# Altium PCB MOTOR SECOND.PcbDoc (part 2 of 4)
Units mil, origin at the board's own origin, x right, y up, seen from the top; angles counter-clockwise.
Board outline 3164.64 x 1945.03 mil, 2 copper layers (Top Layer, Bottom Layer); 69 components, 47 nets, 203 pads, 228 vias.
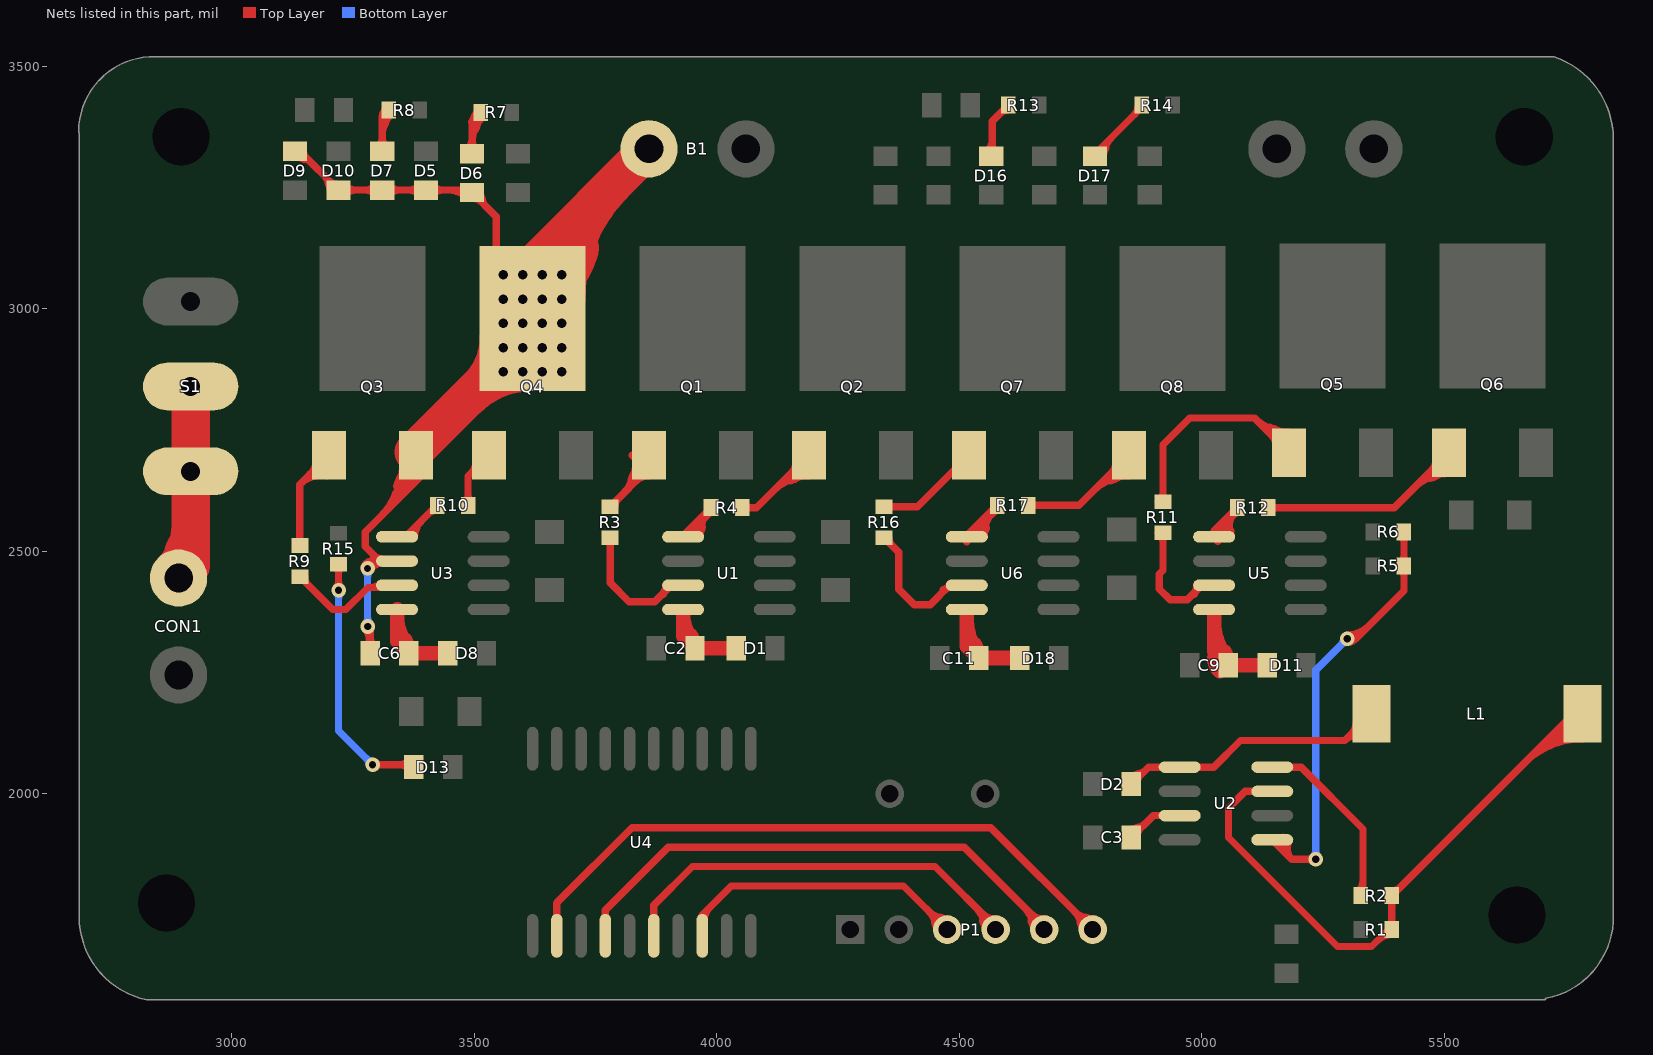
[diagram p2: the nets of this part, all layers, seen from the top]

## Via types
v1: diameter 31.5, hole 19.68, Top Layer to Bottom Layer, 160 vias
v2: diameter 30, hole 15, Top Layer to Bottom Layer, 68 vias

## Nets (pads, with @x,y where several pads share a name; then routed paths per layer and width w, separated by ;. In a path a pad name is that pad's centre, name@x,y a point inside that pad or via, vN(x,y) a via of type N, cw(c..) or ccw(c..) an arc to the next point about the centre after c; other vN are vias at no path point) (continued)
NetB1_2: B1.2 C6.2 D5.1 D6.1 D7.2 D9.1 D10.2 Q3.3 Q4.2 U3.6 | length 8889.2
  Top Layer w15: D9.1@3130,3325 3140,3325 D10.2@3220,3245 D7.2@3310,3245 D5.1@3400,3245 3490,3245 D6.1@3495,3240 3545,3190 Q4.2@3545,3070 ; v2(3280,2345) 3285,2340 C6.2@3285,2290 ; v2@3282.09,2471.82 ccw(c3288.64,2491.33) 3297.81,2472.9 ; v2@3282.63,2471.61 ccw(c3286.75,2481.32) 3295.55,2475.49 ; v2@3291.56,2469.79 cw(c3307.28,2452) U3.6@3308.75,2475.7 ; 3294.67,2471.34 ccw(c3301.63,2457.35) v2@3286.82,2462.32 ; 3296.26,2474.29 cw(c3303.16,2466.47) U3.6@3307.31,2476.04 ; 3297.75,2486.51 ccw(c3304.43,2492.39) U3.6@3307.52,2484.04 ; 3342.24,2627.99 ccw(c3308.87,2660.87) Q3.3@3353.54,2674.98 ; 3359.72,2645.73 ccw(c3335.74,2669.36) Q3.3@3367.84,2679.5 ; 3362.23,2648.27 cw(c3380.15,2630.6) Q3.3@3379.97,2655.77 ; Q3.3@3379.76,2698.27 3379.76,2644.76 ; Q4.2@3545,2863.5 Q4.2@3545,2870 ; Q4.2@3553.98,3090.47 ccw(c3565.87,3089.32) Q4.2@3562.4,3077.89 ; D9.1@3132.63,3324.19 ccw(c3155.42,3331.95) D9.1@3149.19,3308.7 ; D9.1@3132.63,3324.19 ccw(c3155.42,3331.95) D9.1@3149.19,3308.7 ; D9.1@3132.63,3324.19 ccw(c3155.42,3331.95) D9.1@3149.19,3308.7 ; D9.1@3135,3312.5 cw(c3135,3270.25) 3164.87,3300.13 ; D9.1@3135,3312.5 cw(c3135,3270.25) 3164.87,3300.13 ; D9.1@3135,3312.5 cw(c3135,3270.25) 3164.87,3300.13 ; D9.1@3147.5,3325 ccw(c3165.61,3325) D9.1@3152.8,3312.2 ; D9.1@3147.5,3325 ccw(c3165.61,3325) D9.1@3152.8,3312.2 ; D9.1@3147.5,3325 ccw(c3165.61,3325) D9.1@3152.8,3312.2 ; 3190.13,3274.87 cw(c3160.25,3245) D10.2@3202.5,3245 ; 3190.13,3274.87 cw(c3160.25,3245) D10.2@3202.5,3245 ; 3190.13,3274.87 cw(c3160.25,3245) D10.2@3202.5,3245 ; D10.2@3198.7,3259.19 ccw(c3221.95,3265.42) D10.2@3214.19,3242.63 ; D10.2@3198.7,3259.19 ccw(c3221.95,3265.42) D10.2@3214.19,3242.63 ; D10.2@3198.7,3259.19 ccw(c3221.95,3265.42) D10.2@3214.19,3242.63 ; D10.2@3202.2,3262.8 ccw(c3215,3275.61) D10.2@3215,3257.5 ; D10.2@3202.2,3262.8 ccw(c3215,3275.61) D10.2@3215,3257.5 ; D10.2@3202.2,3262.8 ccw(c3215,3275.61) D10.2@3215,3257.5 ; D10.2@3233.84,3236.16 cw(c3255.18,3214.82) 3255.18,3245 ; D10.2@3233.84,3236.16 cw(c3255.18,3214.82) 3255.18,3245 ; D10.2@3233.84,3236.16 cw(c3255.18,3214.82) 3255.18,3245 ; D10.2@3233.84,3253.84 ccw(c3255.18,3275.18) 3255.18,3245 ; D10.2@3233.84,3253.84 ccw(c3255.18,3275.18) 3255.18,3245 ; D10.2@3233.84,3253.84 ccw(c3255.18,3275.18) 3255.18,3245 ; v2@3272.25,2465.48 cw(c3288.35,2463.8) 3288.35,2480 ; v2@3272.25,2465.48 cw(c3288.35,2463.8) 3288.35,2480 ; v2@3272.25,2465.48 cw(c3288.35,2463.8) 3288.35,2480 ; v2@3274.7,2339.7 cw(c3249.82,2314.82) C6.2@3285,2314.82 ; v2@3274.7,2339.7 cw(c3249.82,2314.82) C6.2@3285,2314.82 ; v2@3274.7,2339.7 cw(c3249.82,2314.82) C6.2@3285,2314.82 ; 3274.82,3245 ccw(c3274.82,3275.18) D7.2@3296.16,3253.84 ; 3274.82,3245 cw(c3274.82,3214.82) D7.2@3296.16,3236.16 ; 3274.82,3245 ccw(c3274.82,3275.18) D7.2@3296.16,3253.84 ; 3274.82,3245 cw(c3274.82,3214.82) D7.2@3296.16,3236.16 ; 3274.82,3245 ccw(c3274.82,3275.18) D7.2@3296.16,3253.84 ; 3274.82,3245 cw(c3274.82,3214.82) D7.2@3296.16,3236.16 ; C6.2@3276.16,2303.84 ccw(c3254.82,2325.18) 3285,2325.18 ; C6.2@3276.16,2303.84 ccw(c3254.82,2325.18) 3285,2325.18 ; C6.2@3276.16,2303.84 ccw(c3254.82,2325.18) 3285,2325.18 ; C6.2@3276.72,2304.37 ccw(c3263.94,2318.83) 3282.59,2323.83 ; C6.2@3276.72,2304.37 ccw(c3263.94,2318.83) 3282.59,2323.83 ; C6.2@3276.72,2304.37 ccw(c3263.94,2318.83) 3282.59,2323.83 ; v2(3279.7,2464.7) cw(c3306.42,2438) U3.6@3308.75,2475.7 ; v2(3279.7,2464.7) cw(c3306.42,2438) U3.6@3308.75,2475.7 ; v2(3279.7,2464.7) cw(c3306.42,2438) U3.6@3308.75,2475.7 ; v2(3279.7,2464.7) 3295,2480 U3.6@3305,2480 ; v2@3279.7,2472.2 ccw(c3279.7,2490.31) 3292.51,2477.51 ; v2@3279.7,2472.2 ccw(c3279.7,2490.31) 3292.51,2477.51 ; v2@3279.7,2472.2 ccw(c3279.7,2490.31) 3292.51,2477.51 ; v2@3281.65,2471.95 ccw(c3286.33,2489.44) 3295.38,2473.76 ; v2@3281.65,2471.95 ccw(c3286.33,2489.44) 3295.38,2473.76 ; v2@3281.65,2471.95 ccw(c3286.33,2489.44) 3295.38,2473.76 ; v2@3281.65,2471.95 ccw(c3286.33,2489.44) 3295.38,2473.76 ; v2@3281.65,2471.95 ccw(c3286.33,2489.44) 3295.38,2473.76 ; v2@3281.65,2471.95 ccw(c3286.33,2489.44) 3295.38,2473.76 ; 3281.71,2327.55 cw(c3289.09,2331.81) v2@3284.25,2338.82 ; 3281.71,2327.55 cw(c3289.09,2331.81) v2@3284.25,2338.82 ; 3281.71,2327.55 cw(c3289.09,2331.81) v2@3284.25,2338.82 ; 3285,2325.18 ccw(c3315.18,2325.18) C6.2@3293.84,2303.84 ; 3285,2325.18 ccw(c3315.18,2325.18) C6.2@3293.84,2303.84 ; 3285,2325.18 ccw(c3315.18,2325.18) C6.2@3293.84,2303.84 ; v2@3286.82,2462.32 cw(c3310.16,2454.49) U3.6@3299.19,2476.53 ; v2@3286.82,2462.32 cw(c3310.16,2454.49) U3.6@3299.19,2476.53 ; v2@3286.82,2462.32 cw(c3310.16,2454.49) U3.6@3299.19,2476.53 ; v2@3286.82,2462.32 cw(c3310.16,2454.49) U3.6@3299.19,2476.53 ; v2@3286.95,2462.76 cw(c3304.44,2458.08) 3295.39,2473.76 ; v2@3286.95,2462.76 cw(c3304.44,2458.08) 3295.39,2473.76 ; v2@3286.95,2462.76 cw(c3304.44,2458.08) 3295.39,2473.76 ; v2@3286.95,2462.76 cw(c3304.44,2458.08) 3295.39,2473.76 ; v2@3286.95,2462.76 cw(c3304.44,2458.08) 3295.39,2473.76 ; v2@3286.95,2462.76 cw(c3304.44,2458.08) 3295.39,2473.76 ; v2@3287.16,2463.93 cw(c3305,2462.07) U3.6@3305,2480 ; v2@3287.16,2463.93 cw(c3305,2462.07) U3.6@3305,2480 ; v2@3287.16,2463.93 cw(c3305,2462.07) U3.6@3305,2480 ; v2@3287.2,2464.7 cw(c3305.31,2464.7) 3292.51,2477.51 ; v2@3287.2,2464.7 cw(c3305.31,2464.7) 3292.51,2477.51 ; v2@3287.2,2464.7 cw(c3305.31,2464.7) 3292.51,2477.51 ; v2@3289.79,2471.85 ccw(c3284.9,2495.99) U3.6@3305.42,2482.38 ; v2@3289.79,2471.85 ccw(c3284.9,2495.99) U3.6@3305.42,2482.38 ; v2@3289.79,2471.85 ccw(c3284.9,2495.99) U3.6@3305.42,2482.38 ; 3292,2488.87 cw(c3286.66,2468.94) U3.6@3305.15,2478.09 ; 3292,2488.87 cw(c3286.66,2468.94) U3.6@3305.15,2478.09 ; 3292,2488.87 cw(c3286.66,2468.94) U3.6@3305.15,2478.09 ; 3294.8,2490.2 ccw(c3309.02,2504.41) U3.6@3309.02,2484.31 ; 3294.8,2490.2 ccw(c3309.02,2504.41) U3.6@3309.02,2484.31 ; 3294.8,2490.2 ccw(c3309.02,2504.41) U3.6@3309.02,2484.31 ; U3.6@3305,2480 3275,2510 3275,2540 3379.76,2644.76 ; 3305.59,2570.59 ccw(c3192.92,2683.27) Q3.3@3352.26,2683.27 ; 3305.59,2570.59 ccw(c3192.92,2683.27) Q3.3@3352.26,2683.27 ; 3305.59,2570.59 ccw(c3192.92,2683.27) Q3.3@3352.26,2683.27 ; D7.2@3323.84,3236.16 cw(c3345.18,3214.82) 3345.18,3245 ; D7.2@3323.84,3236.16 cw(c3345.18,3214.82) 3345.18,3245 ; D7.2@3323.84,3236.16 cw(c3345.18,3214.82) 3345.18,3245 ; D7.2@3323.84,3253.84 ccw(c3345.18,3275.18) 3345.18,3245 ; D7.2@3323.84,3253.84 ccw(c3345.18,3275.18) 3345.18,3245 ; D7.2@3323.84,3253.84 ccw(c3345.18,3275.18) 3345.18,3245 ; 3330.24,2598.58 cw(c3447.39,2568.11) Q3.3@3386.09,2672.49 ; 3330.24,2598.58 cw(c3447.39,2568.11) Q3.3@3386.09,2672.49 ; 3330.24,2598.58 cw(c3447.39,2568.11) Q3.3@3386.09,2672.49 ; 3331.2,2596.2 ccw(c3244.13,2683.27) Q3.3@3367.26,2683.27 ; 3331.2,2596.2 ccw(c3244.13,2683.27) Q3.3@3367.26,2683.27 ; 3331.2,2596.2 ccw(c3244.13,2683.27) Q3.3@3367.26,2683.27 ; 3339.35,2633.62 cw(c3421.45,2612.27) Q3.3@3378.5,2685.42 ; 3339.35,2633.62 cw(c3421.45,2612.27) Q3.3@3378.5,2685.42 ; 3339.35,2633.62 cw(c3421.45,2612.27) Q3.3@3378.5,2685.42 ; 3353.98,2633.68 cw(c3412.3,2618.05) Q3.3@3385.34,2672.08 ; 3353.98,2633.68 cw(c3412.3,2618.05) Q3.3@3385.34,2672.08 ; 3353.98,2633.68 cw(c3412.3,2618.05) Q3.3@3385.34,2672.08 ; Q3.3@3355.95,2669.52 cw(c3334.15,2656.93) Q3.3@3358.46,2650.42 ; Q3.3@3355.95,2669.52 cw(c3334.15,2656.93) Q3.3@3358.46,2650.42 ; Q3.3@3355.95,2669.52 cw(c3334.15,2656.93) Q3.3@3358.46,2650.42 ; 3356.81,2621.81 ccw(c3295.34,2683.27) Q3.3@3382.26,2683.27 ; 3356.81,2621.81 ccw(c3295.34,2683.27) Q3.3@3382.26,2683.27 ; 3356.81,2621.81 ccw(c3295.34,2683.27) Q3.3@3382.26,2683.27 ; 3364.82,3245 ccw(c3364.82,3275.18) D5.1@3386.16,3253.84 ; 3364.82,3245 cw(c3364.82,3214.82) D5.1@3386.16,3236.16 ; 3364.82,3245 ccw(c3364.82,3275.18) D5.1@3386.16,3253.84 ; 3364.82,3245 cw(c3364.82,3214.82) D5.1@3386.16,3236.16 ; 3364.82,3245 ccw(c3364.82,3275.18) D5.1@3386.16,3253.84 ; 3364.82,3245 cw(c3364.82,3214.82) D5.1@3386.16,3236.16 ; Q3.3@3365.34,2659.86 cw(c3357.77,2647.58) 3371.7,2643.85 ; Q3.3@3365.34,2659.86 cw(c3357.77,2647.58) 3371.7,2643.85 ; Q3.3@3365.34,2659.86 cw(c3357.77,2647.58) 3371.7,2643.85 ; Q3.3@3370.84,2657.26 cw(c3366.56,2644.77) 3379.76,2644.77 ; Q3.3@3370.84,2657.26 cw(c3366.56,2644.77) 3379.76,2644.77 ; Q3.3@3370.84,2657.26 cw(c3366.56,2644.77) 3379.76,2644.77 ; 3371.7,2643.85 cw(c3388.31,2639.4) Q3.3@3385.02,2656.28 ; 3371.7,2643.85 cw(c3388.31,2639.4) Q3.3@3385.02,2656.28 ; 3371.7,2643.85 cw(c3388.31,2639.4) Q3.3@3385.02,2656.28 ; 3379.76,2644.77 cw(c3392.97,2644.77) Q3.3@3388.68,2657.26 ; 3379.76,2644.77 cw(c3392.97,2644.77) Q3.3@3388.68,2657.26 ; 3379.76,2644.77 cw(c3392.97,2644.77) Q3.3@3388.68,2657.26 ; 3382.41,2647.41 ccw(c3346.56,2683.27) Q3.3@3397.26,2683.27 ; 3382.41,2647.41 ccw(c3346.56,2683.27) Q3.3@3397.26,2683.27 ; 3382.41,2647.41 ccw(c3346.56,2683.27) Q3.3@3397.26,2683.27 ; D5.1@3413.84,3236.16 cw(c3435.18,3214.82) 3435.18,3245 ; D5.1@3413.84,3236.16 cw(c3435.18,3214.82) 3435.18,3245 ; D5.1@3413.84,3236.16 cw(c3435.18,3214.82) 3435.18,3245 ; D5.1@3413.84,3253.84 ccw(c3435.18,3275.18) 3435.18,3245 ; D5.1@3413.84,3253.84 ccw(c3435.18,3275.18) 3435.18,3245 ; D5.1@3413.84,3253.84 ccw(c3435.18,3275.18) 3435.18,3245 ; 3447.75,3245 cw(c3447.75,3197.75) D6.1@3481.16,3231.16 ; 3447.75,3245 cw(c3447.75,3197.75) D6.1@3481.16,3231.16 ; 3447.75,3245 cw(c3447.75,3197.75) D6.1@3481.16,3231.16 ; D6.1@3500,3227.5 cw(c3500,3209.39) D6.1@3512.8,3222.2 ; D6.1@3500,3227.5 cw(c3500,3209.39) D6.1@3512.8,3222.2 ; D6.1@3500,3227.5 cw(c3500,3209.39) D6.1@3512.8,3222.2 ; D6.1@3500.81,3242.37 cw(c3493.05,3219.58) D6.1@3516.3,3225.81 ; D6.1@3500.81,3242.37 cw(c3493.05,3219.58) D6.1@3516.3,3225.81 ; D6.1@3500.81,3242.37 cw(c3493.05,3219.58) D6.1@3516.3,3225.81 ; D6.1@3512.5,3240 ccw(c3554.75,3240) 3524.87,3210.13 ; D6.1@3512.5,3240 ccw(c3554.75,3240) 3524.87,3210.13 ; D6.1@3512.5,3240 ccw(c3554.75,3240) 3524.87,3210.13 ; Q4.2@3544.31,3084.14 ccw(c3555.39,3090.54) Q4.2@3558.19,3078.05 ; Q4.2@3544.31,3084.14 ccw(c3555.39,3090.54) Q4.2@3558.19,3078.05 ; Q4.2@3544.31,3084.14 ccw(c3555.39,3090.54) Q4.2@3558.19,3078.05 ; Q4.2@3545,3089.91 ccw(c3579.91,3089.91) Q4.2@3555.23,3065.23 ; Q4.2@3545,3089.91 ccw(c3579.91,3089.91) Q4.2@3555.23,3065.23 ; Q4.2@3545,3089.91 ccw(c3579.91,3089.91) Q4.2@3555.23,3065.23 ; Q4.2@3545,3126.13 ccw(c3616.13,3126.13) Q4.2@3565.83,3075.83 ; Q4.2@3545,3126.13 ccw(c3616.13,3126.13) Q4.2@3565.83,3075.83 ; Q4.2@3545,3126.13 ccw(c3616.13,3126.13) Q4.2@3565.83,3075.83 ; Q4.2@3549.72,3103.73 cw(c3518.34,3085.61) Q4.2@3552.28,3072.89 ; Q4.2@3549.72,3103.73 cw(c3518.34,3085.61) Q4.2@3552.28,3072.89 ; Q4.2@3549.72,3103.73 cw(c3518.34,3085.61) Q4.2@3552.28,3072.89
  Top Layer w80: Q3.3@3375,2705 Q4.2@3540.24,2870.24 ; Q4.2@3620,3090 B1.2@3860,3330 ; Q4.2@3625,3070 Q4.2@3625,3075 ; 3484.1,2814.1 cw(c3620,2678.21) Q4.2@3620,2870.39 ; 3484.1,2814.1 cw(c3620,2678.21) Q4.2@3620,2870.39 ; 3484.1,2814.1 cw(c3620,2678.21) Q4.2@3620,2870.39 ; 3509.1,2839.1 ccw(c3408.56,2939.65) Q4.2@3550.75,2939.65 ; 3509.1,2839.1 ccw(c3408.56,2939.65) Q4.2@3550.75,2939.65 ; 3509.1,2839.1 ccw(c3408.56,2939.65) Q4.2@3550.75,2939.65 ; Q4.2@3624.92,3010.8 ccw(c3541.73,3172.55) Q4.2@3717.42,3125.47 ; Q4.2@3624.92,3010.8 ccw(c3541.73,3172.55) Q4.2@3717.42,3125.47 ; Q4.2@3624.92,3010.8 ccw(c3541.73,3172.55) Q4.2@3717.42,3125.47 ; Q4.2@3689.25,3020.35 cw(c4024.58,3020.35) 3787.47,3257.47 ; Q4.2@3689.25,3020.35 cw(c4024.58,3020.35) 3787.47,3257.47 ; Q4.2@3689.25,3020.35 cw(c4024.58,3020.35) 3787.47,3257.47
  Bottom Layer w15: v2(3279.7,2464.7) 3279.7,2345.3 v2(3280,2345) ; v2@3274.4,2459.4 cw(c3261.6,2446.6) 3279.7,2446.6 ; v2@3274.4,2459.4 cw(c3261.6,2446.6) 3279.7,2446.6 ; v2@3274.4,2459.4 cw(c3261.6,2446.6) 3279.7,2446.6 ; v2@3274.7,2350.3 ccw(c3262.61,2362.39) 3279.7,2362.39 ; v2@3274.7,2350.3 ccw(c3262.61,2362.39) 3279.7,2362.39 ; v2@3274.7,2350.3 ccw(c3262.61,2362.39) 3279.7,2362.39 ; 3279.7,2363.82 ccw(c3298.82,2363.82) v2@3285.3,2350.3 ; 3279.7,2363.82 ccw(c3298.82,2363.82) v2@3285.3,2350.3 ; 3279.7,2363.82 ccw(c3298.82,2363.82) v2@3285.3,2350.3 ; 3279.7,2446.6 cw(c3297.81,2446.6) v2@3285.01,2459.4 ; 3279.7,2446.6 cw(c3297.81,2446.6) v2@3285.01,2459.4 ; 3279.7,2446.6 cw(c3297.81,2446.6) v2@3285.01,2459.4
  other v1: 3560,2870 3600,2870 3640,2870 3680,2870 3560,2920 3600,2920 3640,2920 3680,2920 3560,2970 3600,2970 3640,2970 3680,2970 3560,3020 3600,3020 3640,3020 3680,3020 3560,3070 3600,3070 3640,3070 3680,3070
NetC2_1: C2.1 D1.2 U1.8 | length 497.3
  Top Layer w30: D1.2@4040,2300 C2.1@3955,2300 3930.51,2324.49 U1.8@3930.51,2370 ; U1.8@3930.51,2370 ccw(c4011.89,2370) C2.1@3958.29,2308.76 ; U1.8@3930.51,2370 ccw(c4011.89,2370) C2.1@3958.29,2308.76 ; U1.8@3930.51,2370 ccw(c4011.89,2370) C2.1@3958.29,2308.76 ; C2.1@3937.93,2317.07 ccw(c3955,2334.14) C2.1@3955,2310 ; C2.1@3937.93,2317.07 ccw(c3955,2334.14) C2.1@3955,2310 ; C2.1@3937.93,2317.07 ccw(c3955,2334.14) C2.1@3955,2310 ; 3945.81,2327.41 cw(c3922.08,2311.52) C2.1@3950.1,2305.97 ; 3945.81,2327.41 cw(c3922.08,2311.52) C2.1@3950.1,2305.97 ; 3945.81,2327.41 cw(c3922.08,2311.52) C2.1@3950.1,2305.97
NetC3_1: C3.1 U2.3 | length 331.2
  Top Layer w15: C3.1@4855,1910 4900,1955 U2.3@4954.53,1955 ; C3.1@4852.63,1915.81 cw(c4875.42,1908.05) C3.1@4869.19,1931.3 ; C3.1@4852.63,1915.81 cw(c4875.42,1908.05) C3.1@4869.19,1931.3 ; C3.1@4852.63,1915.81 cw(c4875.42,1908.05) C3.1@4869.19,1931.3 ; C3.1@4855,1927.5 ccw(c4855,1969.75) 4884.87,1939.87 ; C3.1@4855,1927.5 ccw(c4855,1969.75) 4884.87,1939.87 ; C3.1@4855,1927.5 ccw(c4855,1969.75) 4884.87,1939.87 ; C3.1@4867.5,1915 cw(c4885.61,1915) C3.1@4872.8,1927.8 ; C3.1@4867.5,1915 cw(c4885.61,1915) C3.1@4872.8,1927.8 ; C3.1@4867.5,1915 cw(c4885.61,1915) C3.1@4872.8,1927.8
NetC6_1: C6.1 D8.2 U3.8 | length 529.8
  Top Layer w30: U3.8@3340.51,2380 3340.51,2314.49 C6.1@3365,2290 D8.2@3445,2290 ; 3340.51,2366.19 ccw(c3436.19,2366.19) C6.1@3368.54,2298.54 ; 3340.51,2366.19 ccw(c3436.19,2366.19) C6.1@3368.54,2298.54 ; 3340.51,2366.19 ccw(c3436.19,2366.19) C6.1@3368.54,2298.54 ; C6.1@3347.93,2307.07 ccw(c3365,2324.14) C6.1@3365,2300 ; C6.1@3347.93,2307.07 ccw(c3365,2324.14) C6.1@3365,2300 ; C6.1@3347.93,2307.07 ccw(c3365,2324.14) C6.1@3365,2300 ; 3357.32,2317.97 cw(c3332.58,2303.69) C6.1@3360.17,2296.29 ; 3357.32,2317.97 cw(c3332.58,2303.69) C6.1@3360.17,2296.29 ; 3357.32,2317.97 cw(c3332.58,2303.69) C6.1@3360.17,2296.29
NetC9_1: C9.1 D11.2 U5.8 | length 677.1
  Top Layer w30: 5025.51,2365 5025.51,2294.49 C9.1@5055,2265 D11.2@5135,2265 ; 5025.51,2280.84 ccw(c5065.84,2280.84) C9.1@5037.32,2252.32 ; 5025.51,2280.84 ccw(c5065.84,2280.84) C9.1@5037.32,2252.32 ; 5025.51,2280.84 ccw(c5065.84,2280.84) C9.1@5037.32,2252.32 ; 5025.51,2353.26 ccw(c5138.26,2353.26) C9.1@5058.54,2273.54 ; 5025.51,2353.26 ccw(c5138.26,2353.26) C9.1@5058.54,2273.54 ; 5025.51,2353.26 ccw(c5138.26,2353.26) C9.1@5058.54,2273.54 ; C9.1@5037.93,2282.07 ccw(c5055,2299.14) C9.1@5055,2275 ; C9.1@5037.93,2282.07 ccw(c5055,2299.14) C9.1@5055,2275 ; C9.1@5037.93,2282.07 ccw(c5055,2299.14) C9.1@5055,2275 ; 5047.32,2292.97 cw(c5022.58,2278.69) C9.1@5050.17,2271.29 ; 5047.32,2292.97 cw(c5022.58,2278.69) C9.1@5050.17,2271.29 ; 5047.32,2292.97 cw(c5022.58,2278.69) C9.1@5050.17,2271.29
NetC11_1: C11.1 D18.2 U6.8 | length 534.8
  Top Layer w30: U6.8@4515.51,2370 4515.51,2304.49 C11.1@4540,2280 D18.2@4625,2280 ; 4515.51,2356.19 ccw(c4611.19,2356.19) C11.1@4543.54,2288.54 ; 4515.51,2356.19 ccw(c4611.19,2356.19) C11.1@4543.54,2288.54 ; 4515.51,2356.19 ccw(c4611.19,2356.19) C11.1@4543.54,2288.54 ; C11.1@4522.93,2297.07 ccw(c4540,2314.14) C11.1@4540,2290 ; C11.1@4522.93,2297.07 ccw(c4540,2314.14) C11.1@4540,2290 ; C11.1@4522.93,2297.07 ccw(c4540,2314.14) C11.1@4540,2290 ; 4532.32,2307.97 cw(c4507.58,2293.69) C11.1@4535.17,2286.29 ; 4532.32,2307.97 cw(c4507.58,2293.69) C11.1@4535.17,2286.29 ; 4532.32,2307.97 cw(c4507.58,2293.69) C11.1@4535.17,2286.29
NetCON1_2: CON1.2 S1.1 S1.2 | length 846.7
  Top Layer w80: CON1.2@2915,2470 S1.1@2915,2665 S1.2@2915,2840 ; CON1.2@2876.53,2458.47 ccw(c2783.64,2551.36) 2915,2551.36 ; CON1.2@2876.53,2458.47 ccw(c2783.64,2551.36) 2915,2551.36 ; CON1.2@2876.53,2458.47 ccw(c2783.64,2551.36) 2915,2551.36 ; 2905.21,2508.16 ccw(c2949.79,2482.42) CON1.2@2906.15,2455.11 ; 2905.21,2508.16 ccw(c2949.79,2482.42) CON1.2@2906.15,2455.11 ; 2905.21,2508.16 ccw(c2949.79,2482.42) CON1.2@2906.15,2455.11
NetD2_1: D2.1 L1.2 U2.1 | length 870.9
  Top Layer w15: D2.1@4855,2020 4890,2055 U2.1@4954.53,2055 5025,2055 5080,2110 5295,2110 ; 5309.51,2124.51 ccw(c5288.71,2145.32) L1.2@5318.13,2145.32 ; 5309.79,2124.79 cw(c5329.92,2104.66) L1.2@5342.53,2130.19 ; L1.2@5335.89,2116.74 ccw(c5320.14,2084.86) 5295,2110 ; L1.2@5350,2165 5295,2110 ; D2.1@4852.63,2025.81 cw(c4875.42,2018.05) D2.1@4869.19,2041.3 ; D2.1@4852.63,2025.81 cw(c4875.42,2018.05) D2.1@4869.19,2041.3 ; D2.1@4852.63,2025.81 cw(c4875.42,2018.05) D2.1@4869.19,2041.3 ; D2.1@4855,2037.5 ccw(c4855,2079.75) 4884.87,2049.87 ; D2.1@4855,2037.5 ccw(c4855,2079.75) 4884.87,2049.87 ; D2.1@4855,2037.5 ccw(c4855,2079.75) 4884.87,2049.87 ; D2.1@4867.5,2025 cw(c4885.61,2025) D2.1@4872.8,2037.8 ; D2.1@4867.5,2025 cw(c4885.61,2025) D2.1@4872.8,2037.8 ; D2.1@4867.5,2025 cw(c4885.61,2025) D2.1@4872.8,2037.8
NetD6_2: D6.2 R7.1 | length 748.4
  Top Layer w15: D6.2@3495,3320 3495,3387 R7.1@3513,3405 ; D6.2@3486.16,3328.84 ccw(c3464.82,3350.18) 3495,3350.18 ; D6.2@3486.16,3328.84 ccw(c3464.82,3350.18) 3495,3350.18 ; D6.2@3486.16,3328.84 ccw(c3464.82,3350.18) 3495,3350.18 ; 3494.39,3384.75 cw(c3512.16,3374.49) R7.1@3512.78,3395 ; 3494.39,3384.75 cw(c3512.16,3374.49) R7.1@3512.78,3395 ; 3494.39,3384.75 cw(c3512.16,3374.49) R7.1@3512.78,3395 ; 3495,3340.94 cw(c3574.56,3340.94) R7.1@3518.3,3397.2 ; 3495,3340.94 cw(c3574.56,3340.94) R7.1@3518.3,3397.2 ; 3495,3340.94 cw(c3574.56,3340.94) R7.1@3518.3,3397.2 ; 3495,3350.18 ccw(c3525.18,3350.18) D6.2@3503.84,3328.84 ; 3495,3350.18 ccw(c3525.18,3350.18) D6.2@3503.84,3328.84 ; 3495,3350.18 ccw(c3525.18,3350.18) D6.2@3503.84,3328.84 ; 3495,3377.15 cw(c3538.35,3377.15) R7.1@3507.7,3407.8 ; 3495,3377.15 cw(c3538.35,3377.15) R7.1@3507.7,3407.8 ; 3495,3377.15 cw(c3538.35,3377.15) R7.1@3507.7,3407.8 ; 3495.93,3387.93 cw(c3513,3370.86) R7.1@3513,3395 ; 3495.93,3387.93 cw(c3513,3370.86) R7.1@3513,3395 ; 3495.93,3387.93 cw(c3513,3370.86) R7.1@3513,3395 ; 3501.48,3368.05 ccw(c3464.37,3389.47) R7.1@3505.76,3400.56 ; 3501.48,3368.05 ccw(c3464.37,3389.47) R7.1@3505.76,3400.56 ; 3501.48,3368.05 ccw(c3464.37,3389.47) R7.1@3505.76,3400.56
NetD7_1: D7.1 R8.1 | length 525.4
  Top Layer w15: D7.1@3310,3325 3310,3397 R8.1@3323,3410 ; D7.1@3301.16,3333.84 ccw(c3279.82,3355.18) 3310,3355.18 ; D7.1@3301.16,3333.84 ccw(c3279.82,3355.18) 3310,3355.18 ; D7.1@3301.16,3333.84 ccw(c3279.82,3355.18) 3310,3355.18 ; 3310,3355.18 ccw(c3340.18,3355.18) D7.1@3318.84,3333.84 ; 3310,3355.18 ccw(c3340.18,3355.18) D7.1@3318.84,3333.84 ; 3310,3355.18 ccw(c3340.18,3355.18) D7.1@3318.84,3333.84 ; 3310,3358.01 cw(c3372.49,3358.01) R8.1@3328.3,3402.2 ; 3310,3358.01 cw(c3372.49,3358.01) R8.1@3328.3,3402.2 ; 3310,3358.01 cw(c3372.49,3358.01) R8.1@3328.3,3402.2 ; R8.1@3310,3394.22 cw(c3336.28,3394.22) R8.1@3317.7,3412.8 ; R8.1@3310,3394.22 cw(c3336.28,3394.22) R8.1@3317.7,3412.8 ; R8.1@3310,3394.22 cw(c3336.28,3394.22) R8.1@3317.7,3412.8 ; 3314.22,3377.81 ccw(c3287.72,3393.11) R8.1@3316.06,3404.67 ; 3314.22,3377.81 ccw(c3287.72,3393.11) R8.1@3316.06,3404.67 ; 3314.22,3377.81 ccw(c3287.72,3393.11) R8.1@3316.06,3404.67
NetD13_1: D13.1 R15.2 | length 1097.9
  Top Layer w15: v2(3220,2420) R15.2@3220,2473 ; v2(3290,2060) 3370,2060 D13.1@3375,2055 ; v2@3214.7,2425.3 ccw(c3201.89,2438.11) 3220,2438.11 ; v2@3214.7,2425.3 ccw(c3201.89,2438.11) 3220,2438.11 ; v2@3214.7,2425.3 ccw(c3201.89,2438.11) 3220,2438.11 ; R15.2@3214.7,2467.7 cw(c3201.89,2454.89) 3220,2454.89 ; R15.2@3214.7,2467.7 cw(c3201.89,2454.89) 3220,2454.89 ; R15.2@3214.7,2467.7 cw(c3201.89,2454.89) 3220,2454.89 ; 3220,2438.11 ccw(c3238.11,2438.11) v2@3225.3,2425.3 ; 3220,2438.11 ccw(c3238.11,2438.11) v2@3225.3,2425.3 ; 3220,2438.11 ccw(c3238.11,2438.11) v2@3225.3,2425.3 ; 3220,2454.89 cw(c3238.11,2454.89) R15.2@3225.3,2467.7 ; 3220,2454.89 cw(c3238.11,2454.89) R15.2@3225.3,2467.7 ; 3220,2454.89 cw(c3238.11,2454.89) R15.2@3225.3,2467.7 ; v2@3295.3,2054.7 cw(c3308.11,2041.89) 3308.11,2060 ; v2@3295.3,2054.7 cw(c3308.11,2041.89) 3308.11,2060 ; v2@3295.3,2054.7 cw(c3308.11,2041.89) 3308.11,2060 ; v2@3295.3,2065.3 ccw(c3308.11,2078.11) 3308.11,2060 ; v2@3295.3,2065.3 ccw(c3308.11,2078.11) 3308.11,2060 ; v2@3295.3,2065.3 ccw(c3308.11,2078.11) 3308.11,2060 ; 3344.82,2060 ccw(c3344.82,2090.18) D13.1@3366.16,2068.84 ; 3344.82,2060 cw(c3344.82,2029.82) D13.1@3366.16,2051.16 ; 3344.82,2060 ccw(c3344.82,2090.18) D13.1@3366.16,2068.84 ; 3344.82,2060 cw(c3344.82,2029.82) D13.1@3366.16,2051.16 ; 3344.82,2060 ccw(c3344.82,2090.18) D13.1@3366.16,2068.84 ; 3344.82,2060 cw(c3344.82,2029.82) D13.1@3366.16,2051.16